# Allegro board reComputer Industrial J201_V1.2.brd (continued)
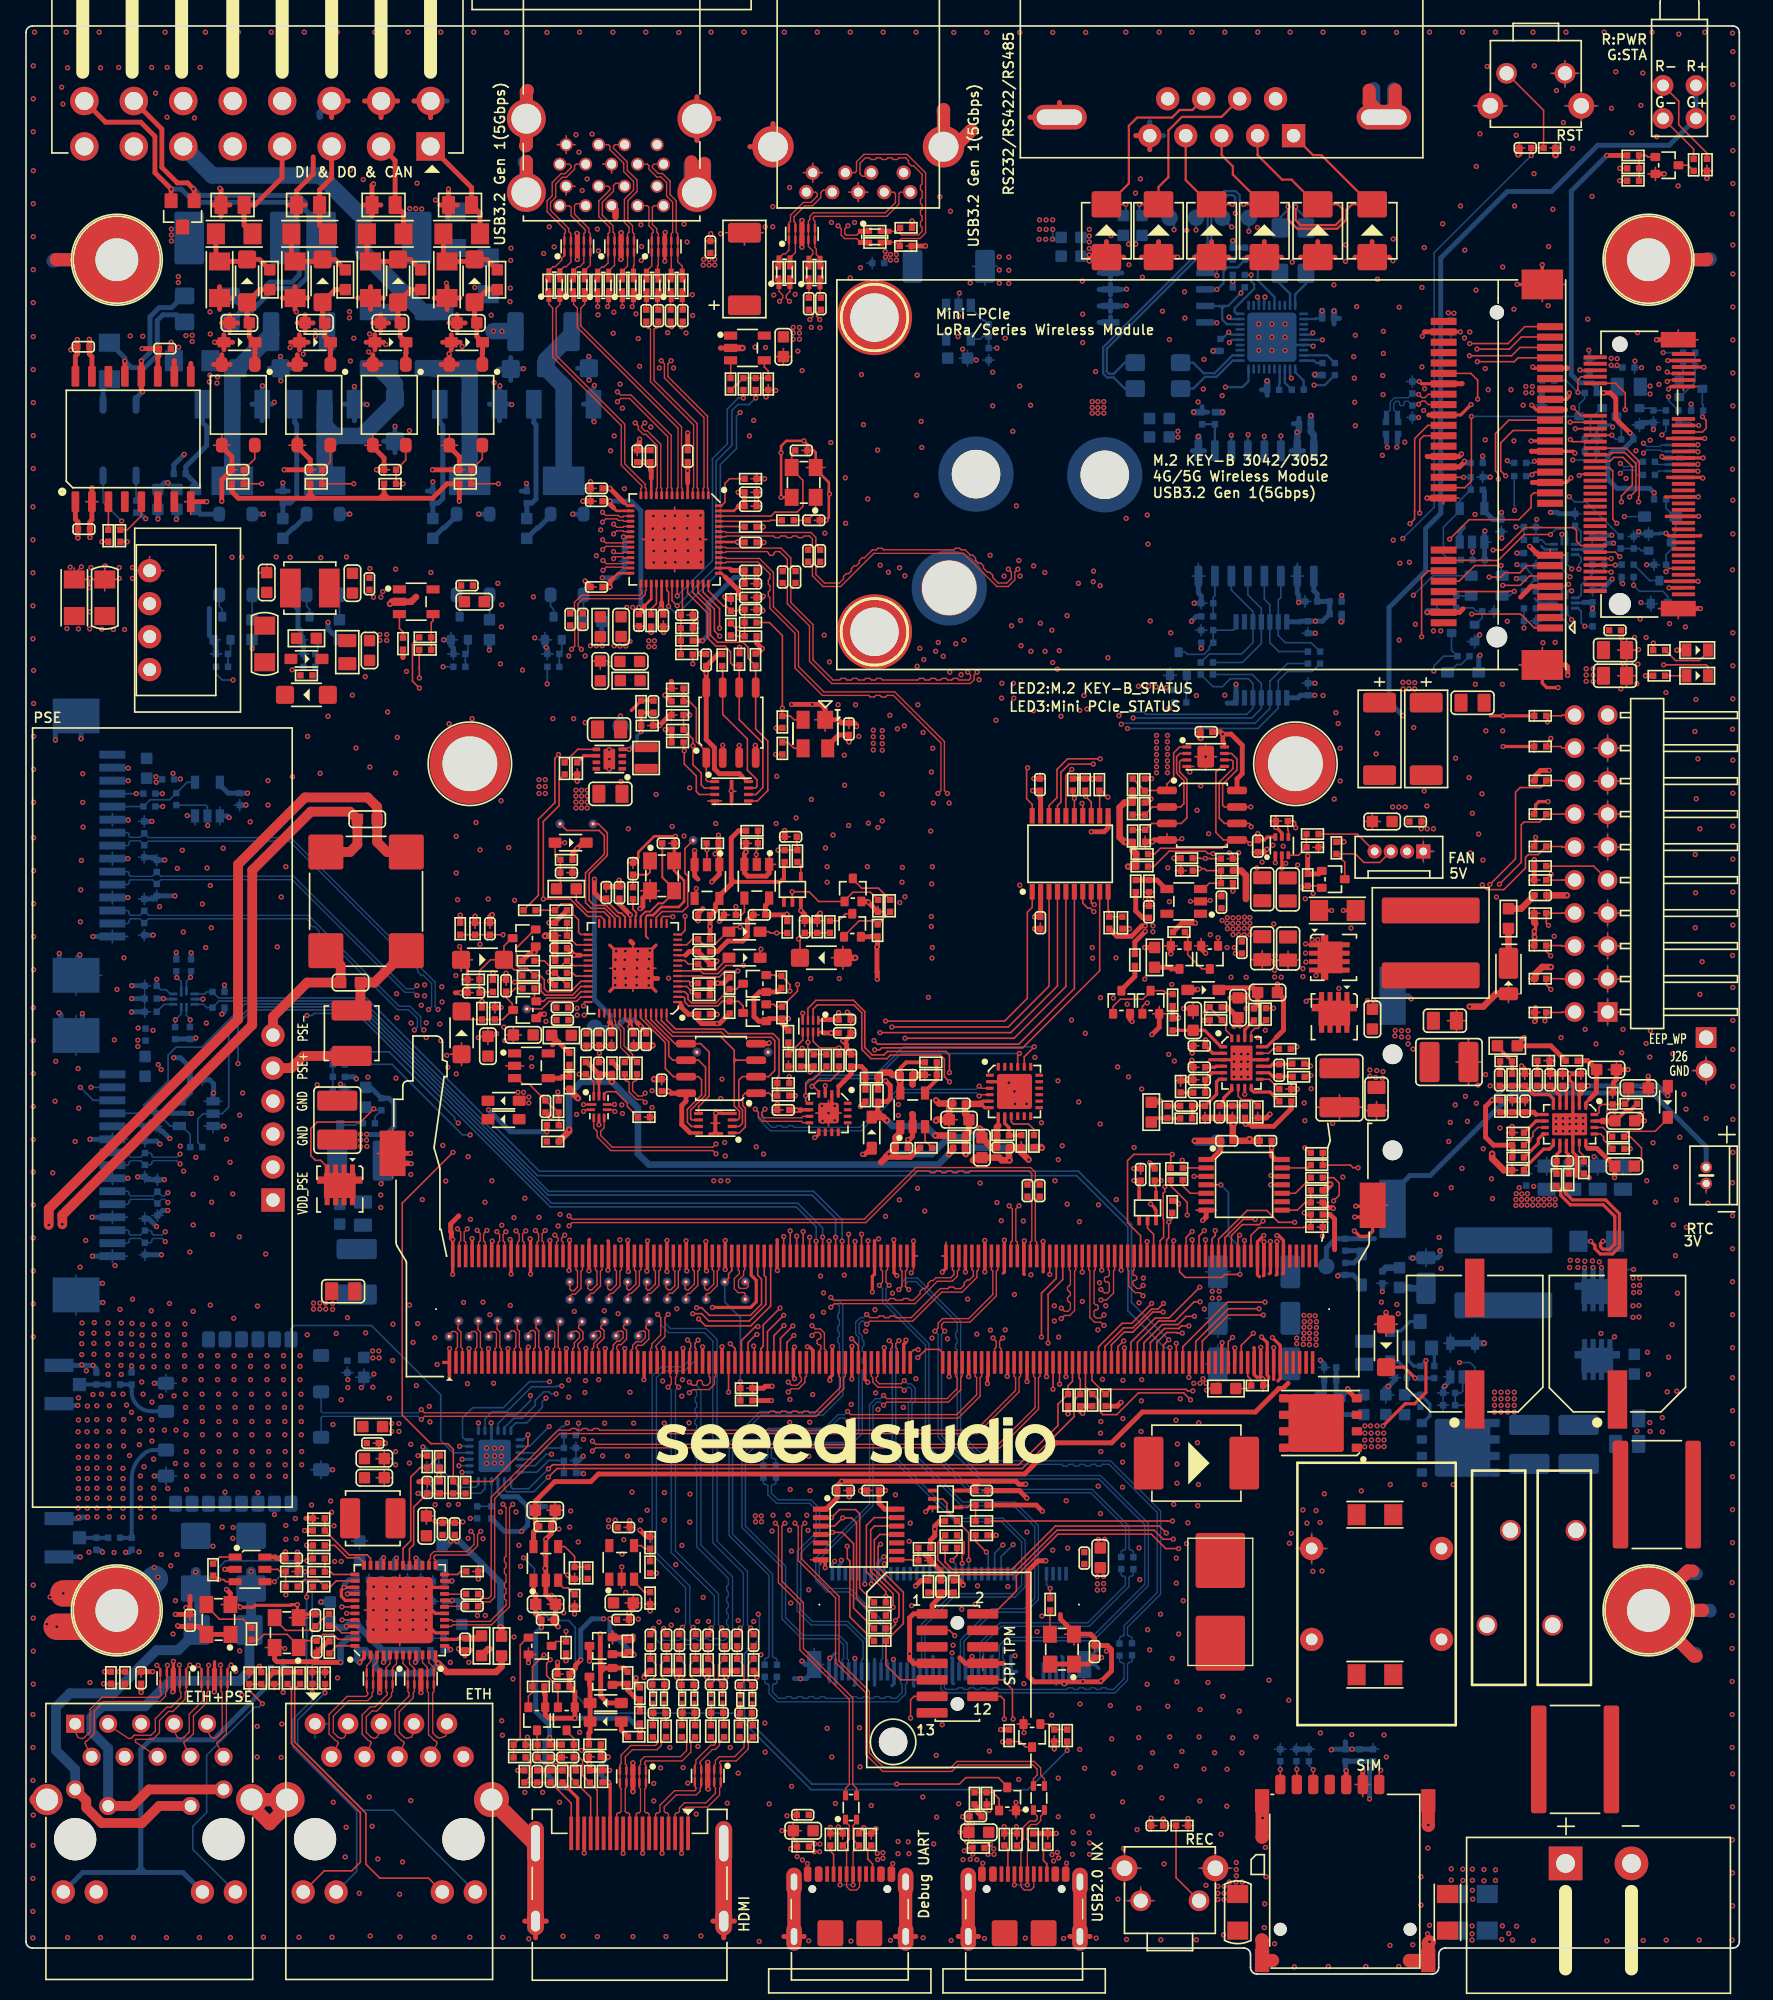
[diagram p0: board, top side]
## Routing (per net, layer and track width the routed paths; a pad name or vN(x,y) marks a point on that pad's centre or on a via; arc(x,y) is an arc through that point) (continued)
  LAY4 w0.127: v1(71.15,69.41) 78.21,69.41 79.61,70.81 v1(88.04,70.81)
UART2_TXD_3V3: length 79.3
  TOP w0.127: R153.2 R418.2 60.24,71.25 v1(60.24,71.74) U24.6 ; D22.2 117.23,94.52 ; 117.23,94.52 118.24,94.52 118.36,94.4 J8.18 ; 117.23,94.52 117.23,94.89 v1(117.48,95.14)
  LAY3 w0.127: v1(65.64,88.29) 65.64,87.51 65.38,87.26 65.38,82.01 64.84,81.47 64.84,77.71 60.64,73.51 60.64,72.14 v1(60.24,71.74)
  LAY4 w0.127: v1(65.64,88.29) 67.03,88.29 67.47,88.72 93.58,88.72 93.59,88.73 103.45,88.73 109.86,95.14 v1(117.48,95.14)
UART_USB_DN: length 40.6
  TOP w0.107: v1(56.18,66.6) 56.43,66.35 56.43,66 56.77,65.66 59.76,65.66 59.87,65.54 U30.8 ; U29.6 45.27,66.55 45.37,66.46 v1(45.37,66.42) ; U54.4 73.53,67.71 v1(73.44,67.61)
  LAY3 w0.084: v1(56.18,66.6) 56.44,66.34 56.44,66.17 56.13,65.86 55.83,65.86 55.7,65.98 55.4,65.98 55.27,65.86 54.97,65.86 54.84,65.98 54.53,65.98 54.41,65.86 46.64,65.86 46.51,65.98 46.21,65.98 46.08,65.86 45.42,65.86 45.29,65.98 44.99,65.98 44.86,65.86 44.56,65.86 44.28,66.13 44.28,66.33 44.36,66.42 v1(45.37,66.42)
  BOTTOM w0.107: v1(56.18,66.6) 56.43,66.35 56.43,65.85 57.35,64.93 64.35,64.93 67.28,67.85 73.19,67.85 v1(73.44,67.61)
UART_USB_DP: length 40.2
  TOP w0.107: v1(56.94,66.6) 56.7,66.35 56.7,66.11 56.88,65.93 59.76,65.93 59.87,66.04 U30.7 ; v1(42.96,66.42) 43.09,66.55 U29.2 ; U54.3 73.59,68.21 v1(73.44,68.37)
  LAY3 w0.084: v1(42.96,66.42) 43.96,66.42 44.04,66.33 44.04,66.03 44.46,65.62 56.23,65.62 56.68,66.07 56.68,66.34 v1(56.94,66.6)
  BOTTOM w0.107: v1(73.44,68.37) 73.19,68.12 67.17,68.12 64.24,65.2 59.19,65.2 59.06,65.32 58.75,65.32 58.63,65.2 58.32,65.2 58.2,65.32 57.89,65.32 57.76,65.2 57.46,65.2 56.7,65.96 56.7,66.35 v1(56.94,66.6)
USB0_AP_N: length 49.9
  TOP w0.107: J9.109 59.63,46.04 59.74,45.92 59.74,45.66 59.41,45.33 58.97,45.33 v1(58.72,45.58) ; L24.3 78.47,15.04 78.18,15.33 78.18,15.87 77.68,16.37 71.73,16.37 71.23,15.87 66.12,15.87 64.98,17.01 64.98,21.76 62.64,24.1 62.64,29.08 59.76,31.96 59.76,34.47 v1(60,34.72)
  LAY3 w0.084: v1(60,34.72) 59.74,34.98 59.74,44.95 59.38,45.32 58.98,45.32 v1(58.72,45.58)
USB0_AP_P: length 50
  TOP w0.107: v1(58.72,44.82) 58.97,45.06 59.53,45.06 60.01,45.55 60.01,45.92 60.13,46.04 J9.111 ; v1(59.25,34.72) 59.49,34.47 59.49,31.85 62.37,28.97 62.37,23.99 64.71,21.65 64.71,16.9 66.01,15.6 71.34,15.6 71.84,16.1 77.57,16.1 77.91,15.76 77.91,15.33 77.62,15.04 L24.2
  LAY3 w0.084: v1(59.25,34.72) 59.51,34.98 59.51,44.86 59.28,45.08 58.98,45.08 v1(58.72,44.82)
USB0_VBUS_DET*: length 51.7
  TOP w0.127: Q23.3 75.6,14.44 74.92,15.13 72.41,15.13 71.91,14.63 v1(67.09,14.63) ; v1(54.13,44.8) J9.87
  LAY3 w0.127: v1(54.13,44.8) 54.13,30 v1(56.42,27.71)
  BOTTOM w0.127: v1(67.09,14.63) 60.56,14.63 55.35,19.83 55.35,24.66 56.49,25.8 56.49,27.63 v1(56.42,27.71)
USB1_A_N: length 9.2
  TOP w0.107: R29.2 44.94,130.9 L6.3 44.89,131.12 45.35,131.58 U3.2 U3.9 45.35,134.01 45.23,134.12 45.23,134.6 44.4,135.43 44.4,136.42 45.26,137.28 45.26,137.71 45.44,137.89 45.88,137.89 46.11,137.66 J4.11
USB1_A_P: length 9.2
  TOP w0.107: R36.2 44,130.9 L6.2 44.04,131.12 44.36,131.44 44.53,131.44 44.85,131.75 U3.1 U3.10 44.85,134.01 44.96,134.12 44.96,134.49 44.13,135.32 44.13,136.53 44.99,137.39 44.99,137.54 44.87,137.66 J4.12
USB1_AP_N: length 80.9
  TOP w0.107: J9.115 61.13,48.01 61.24,48.13 61.24,48.36 61.13,48.47 61.05,48.47 60.94,48.57 60.94,48.79 61.05,48.89 61.13,48.89 61.24,49 61.24,49.25 61.08,49.41 60.8,49.41 v1(60.56,49.16) ; U8.46 53.89,109.06 53.96,109 56.51,109 57.59,107.92 57.59,105.28 59.52,103.35 59.52,100.68 61.47,98.72 66.93,98.72 70.76,94.9 70.76,91.13 v1(70.99,90.9)
  LAY3 w0.084: v1(70.99,90.9) 70.74,90.65 70.74,57.63 68.56,55.44 67.32,55.44 61.3,49.42 60.82,49.42 v1(60.56,49.16)
USB1_AP_P: length 81
  TOP w0.107: U8.45 53.89,108.66 53.96,108.73 56.4,108.73 57.32,107.81 57.32,107.46 57.19,107.34 57.19,107.03 57.32,106.9 57.32,106.55 57.19,106.42 57.19,106.12 57.32,105.99 57.32,105.17 59.25,103.24 59.25,100.57 61.36,98.46 64.93,98.46 65.05,98.33 65.36,98.33 65.49,98.46 65.79,98.46 65.92,98.33 66.22,98.33 66.35,98.46 66.82,98.46 70.49,94.79 70.49,91.13 v1(70.26,90.9) ; J9.117 61.63,48.03 61.51,48.14 61.51,49.36 61.19,49.68 60.8,49.68 v1(60.56,49.92)
  LAY3 w0.084: v1(70.26,90.9) 70.51,90.65 70.51,59.45 70.38,59.33 70.38,59.02 70.51,58.89 70.51,58.59 70.38,58.46 70.38,58.16 70.51,58.03 70.51,57.73 69.68,56.9 69.5,56.9 69.29,56.69 69.29,56.51 69.07,56.29 68.89,56.29 68.68,56.07 68.68,55.89 68.46,55.68 67.22,55.68 61.2,49.66 60.82,49.66 v1(60.56,49.92)
USB1_B_N: length 16.5
  TOP w0.107: J3.2 64.84,138.42 64.44,138.42 64.25,138.61 64.25,139.43 64.67,139.85 64.98,139.85 65.1,139.72 65.41,139.72 65.54,139.85 65.84,139.85 65.97,139.72 66.27,139.72 66.4,139.85 66.7,139.85 66.83,139.72 67.14,139.72 67.26,139.85 67.77,139.85 67.99,139.63 67.99,139.45 68.2,139.24 68.38,139.24 69.04,138.58 69.04,137.84 68.91,137.71 68.91,137.41 69.04,137.28 69.04,136.77 68.91,136.65 68.91,136.34 69.04,136.22 69.04,135.91 68.91,135.78 68.91,135.48 69.04,135.35 69.04,135.05 68.91,134.92 68.91,134.61 69.04,134.49 69.04,134.18 68.76,133.9 67.45,133.9 67.34,134.01 D3.2 67.07,134.19 L1.2 66.27,134.23 R10.2
USB1_B_P: length 16.7
  TOP w0.107: J3.3 63.88,138.71 63.99,138.81 63.99,139.54 64.56,140.12 67.88,140.12 69.31,138.69 69.31,134.07 68.87,133.63 67.46,133.63 67.34,133.52 67.34,133.06 D10.2 67.04,133.34 L1.3 66.27,133.29 R15.2
USB2_A_N: length 12.4
  TOP w0.107: J4.2 45.38,140.86 45.26,140.74 45.26,140.59 46.32,139.53 46.32,138.89 47.08,138.14 47.08,137.25 46.37,136.55 46.37,134.98 46.73,134.62 46.73,134.12 46.85,134.01 U3.6 U3.5 46.85,131.55 46.8,131.5 L7.3 46.8,130.54 R30.2
USB2_A_P: length 12.6
  TOP w0.107: R37.2 45.95,130.54 L7.2 45.95,131.12 46.35,131.52 U3.4 U3.7 46.35,134.01 46.46,134.12 46.46,134.51 46.1,134.87 46.1,136.66 46.81,137.36 46.81,138.03 46.05,138.78 46.05,139.42 44.99,140.48 44.99,140.74 44.87,140.86 J4.3
USB2_AP_N: length 45
  TOP w0.107: v1(30.46,43.46) 30.7,43.21 57.23,43.21 57.36,43.34 57.66,43.34 57.79,43.21 58.09,43.21 58.22,43.34 58.53,43.34 58.65,43.21 58.96,43.21 59.08,43.34 59.39,43.34 59.52,43.21 59.82,43.21 59.95,43.34 60.25,43.34 60.38,43.21 60.78,43.21 62.74,45.18 62.74,45.92 62.63,46.04 J9.121
  BOTTOM w0.107: U50.12 22.74,43.32 22.84,43.21 30.21,43.21 v1(30.46,43.46)
USB2_AP_P: length 45
  TOP w0.107: v1(30.46,42.7) 30.7,42.95 60.89,42.95 63.01,45.07 63.01,45.92 63.13,46.04 J9.123
  BOTTOM w0.107: U50.13 22.74,42.84 22.84,42.95 30.21,42.95 v1(30.46,42.7)
USB_DM: length 4.4
  TOP w0.107: U23.46 45.36,73.42 45.42,73.36 45.42,73.07 45.81,72.68 45.81,71.35 46.47,70.7 46.47,70.55 R161.2
USB_DP: length 4.4
  TOP w0.107: R162.2 46.74,70.55 46.74,70.81 46.08,71.47 46.08,72.79 45.69,73.18 45.69,73.36 45.76,73.42 U23.47
USB_HUB_RESET: length 93.2
  TOP w0.127: R286.1 v1(51.37,100.88) ; v1(54.87,103.6) 54.7,103.6 R55.1
  LAY3 w0.127: v1(54.87,103.6) 54.82,103.6 52.1,100.88 v1(51.37,100.88) 51.57,100.69 51.57,96.77 50.09,95.3 41.66,95.3 40.5,94.14 40.5,86.99 36.35,82.84 36.35,79.17 36.55,78.96 36.55,76.42 37.63,75.34 37.63,70.19 33.76,66.31 33.76,64.38 33.99,64.16 43.51,64.16 44.15,63.52 44.15,54.25 43.64,53.74 43.13,53.74 42.8,53.41 42.8,52.98 42.24,52.42 41.23,52.42 40.31,51.51 40.31,50.01 39.45,49.14 39.45,44.95 v1(40.06,44.34)
  BOTTOM w0.127: v1(40.06,44.34) 39.78,44.06 39.78,43.64 38.57,42.44 37.73,42.44 37.36,42.07 U51.12
USB_MUX_SEL: length 84.5
  TOP w0.127: J8.4 118.36,76.62 118.34,76.64 D35.2 117.12,76.17 v1(117.48,75.81) ; U29.10 43.74,68.68 R159.2 v1(42.62,69.29)
  LAY4 w0.127: v1(42.62,69.29) 42.9,69.57 42.9,69.61 43.51,70.23 56.98,70.23 58.5,68.7 59.01,68.7 60.2,69.9 78.21,69.9 79.63,71.32 90.2,71.32 90.25,71.27 95.15,71.27 97.95,74.06 100.23,74.06 101.81,75.64 117.3,75.64 v1(117.48,75.81)
USB_UART_RX: length 25.3
  TOP w0.127: v1(77.68,71.39) 76.91,70.62 U54.20 ; R153.1 60.66,68.88 60.35,68.88 60.07,68.6 v1(60.07,67.64) 60.07,67.2 60.23,67.04 U30.5
  BOTTOM w0.127: v1(60.07,67.64) 60.07,68.42 60.86,69.21 65.42,69.21 67.6,71.39 v1(77.68,71.39)
USB_UART_TX: length 21.9
  TOP w0.127: R152.1 62.63,69.44 61.98,68.79 61,68.79 v1(60.56,68.35) 60.68,68.35 61.08,67.94 U30.4 ; U54.21 76.41,70.76 v1(76.53,70.89)
  BOTTOM w0.127: v1(76.53,70.89) 67.42,70.89 65.49,68.96 61.17,68.96 v1(60.56,68.35)
USBSS1_RX_N: length 3.5
  TOP w0.107: TP38.1 41.96,49.35 42.06,49.47 42.42,49.52 42.54,49.42 42.65,49.32 42.65,49.01 42.24,48.61 42.24,48.26 42.13,48.15 J9.39
USBSS1_RX_P: length 3.6
  TOP w0.107: J9.41 42.63,48.15 42.51,48.26 42.51,48.5 42.91,48.9 42.91,49.43 42.72,49.63 42.58,49.73 42.56,49.88 TP33.1
USBSS1_TX_N: length 3.4
  TOP w0.107: TP39.1 43.7,49.26 43.88,49.48 44.15,49.52 44.27,49.42 44.27,49.08 43.74,48.56 43.74,48.26 43.63,48.15 J9.45
USBSS1_TX_P: length 3.6
  TOP w0.107: J9.47 44.13,48.15 44.01,48.26 44.01,48.45 44.53,48.97 44.53,49.56 44.37,49.68 44.37,49.68 44.31,49.73 44.31,49.73 44.29,49.88 TP34.1
USBSS2_RX_N: length 3.7
  TOP w0.107: TP37.1 45.44,49.3 45.58,49.48 45.88,49.52 46,49.43 46,48.99 45.75,48.74 45.54,48.74 45.24,48.43 45.24,48.13 45.13,48.01 J9.51
USBSS2_RX_P: length 3.8
  TOP w0.107: J9.53 45.63,48.02 45.51,48.14 45.51,48.32 45.66,48.47 45.86,48.47 46.27,48.88 46.27,49.56 46.05,49.73 46.03,49.88 TP32.1
USBSS2_TX_N: length 3.9
  TOP w0.107: TP40.1 47.15,49.28 47.3,49.48 47.6,49.52 47.72,49.42 47.72,49.01 47.4,48.69 47.02,48.69 46.74,48.41 46.74,48.15 46.63,48.04 J9.57
USBSS2_TX_P: length 4
  TOP w0.107: J9.59 47.13,48.02 47.01,48.14 47.01,48.3 47.13,48.42 47.51,48.42 47.99,48.89 47.99,49.56 47.77,49.73 47.77,49.73 47.75,49.88 TP35.1
USBSS_RX_A_CON1_N: length 7.4
  TOP w0.107: R31.2 42.13,130.91 L5.2 42.19,131.15 42.5,131.46 42.68,131.46 42.98,131.77 U2.4 U2.7 42.98,134.01 43.1,134.12 43.1,134.3 41.99,135.4 41.99,136.04 41.89,136.15 41.13,136.15 41.12,136.15 J4.14
USBSS_RX_A_CON1_P: length 7.4
  TOP w0.107: J4.15 43.11,136.16 42.96,136.32 42.4,136.32 42.26,136.18 42.26,135.51 43.37,134.41 43.37,134.12 43.48,134.01 U2.6 U2.5 43.48,131.59 43.04,131.15 L5.3 43.06,130.96 R28.2
USBSS_RX_A_CON2_N: length 11.8
  TOP w0.107: J4.5 41.87,139.36 41.99,139.24 41.99,139.09 41.52,138.62 41.22,138.62 40.54,137.94 40.54,136.93 40.15,136.53 40.15,135.7 41.56,134.28 41.56,134.08 41.48,134.01 U2.10 U2.1 41.48,132.33 41.28,132.13 41.28,131.97 40.77,131.46 40.6,131.46 40.28,131.15 L4.2 40.23,130.92 R32.2
USBSS_RX_A_CON2_P: length 11.7
  TOP w0.107: R33.2 41.17,130.94 L4.3 41.13,131.15 41.45,131.46 41.62,131.46 41.98,131.82 U2.2 U2.9 41.98,134.01 41.83,134.16 41.83,134.4 40.42,135.81 40.42,136.42 40.81,136.81 40.81,137.83 41.33,138.35 41.64,138.35 42.26,138.98 42.26,139.24 42.38,139.36 J4.6
USBSS_RX_B_CON1_N: length 8.2
  TOP w0.107: R18.2 57.94,131.89 L2.2 58.01,132.14 58.33,132.45 58.5,132.45 58.78,132.73 U1.1 U1.10 58.78,134.84 58.9,134.97 58.9,135.42 59.9,136.42 60.48,136.42 60.96,136.9 60.96,137.09 60.84,137.21 J3.5
USBSS_RX_B_CON1_P: length 8.1
  TOP w0.107: J3.6 61.97,137.36 61.42,137.36 61.23,137.17 61.23,136.79 60.59,136.15 60.01,136.15 59.17,135.31 59.17,134.93 59.28,134.83 U1.9 U1.2 59.28,132.56 58.86,132.14 L2.3 58.88,131.95 R16.2
USBSS_RX_HUB_N: length 8.8
  TOP w0.107: U8.51 53.89,111.06 53.96,111 60.48,111 60.86,110.62 60.86,110 C33.2
USBSS_RX_HUB_P: length 8.6
  TOP w0.107: C32.2 60.59,110 60.59,110.51 60.36,110.73 59.95,110.73 59.82,110.6 59.52,110.6 59.39,110.73 59.08,110.73 58.96,110.6 58.65,110.6 58.53,110.73 58.14,110.73 58.02,110.6 57.71,110.6 57.59,110.73 53.96,110.73 53.89,110.66 U8.50
USBSS_RX_N: length 75.4
  TOP w0.107: J9.161 74.63,48.15 74.74,48.26 74.74,48.73 v1(74.5,48.98) ; C36.1 58.93,106.74 58.93,105.61 60.63,103.91 60.63,101.19 62.18,99.64 62.69,99.64 62.82,99.77 63.12,99.77 63.25,99.64 63.58,99.64 63.71,99.77 64.01,99.77 64.14,99.64 64.57,99.64 64.7,99.77 65,99.77 65.13,99.64 65.43,99.64 65.56,99.77 65.87,99.77 65.99,99.64 68.71,99.64 68.84,99.77 69.14,99.77 69.27,99.64 69.6,99.64 69.73,99.77 70.03,99.77 70.16,99.64 70.46,99.64 70.59,99.77 70.9,99.77 71.02,99.64 71.33,99.64 71.45,99.77 71.76,99.77 71.89,99.64 72.64,99.64 72.78,99.77 72.78,100.02 v1(72.54,100.25)
  LAY3 w0.084: v1(74.5,48.98) 74.76,49.24 74.76,54.12 72.79,56.08 72.79,100 v1(72.54,100.25)
USBSS_RX_P: length 75.4
  TOP w0.107: J9.163 75.13,48.15 75.01,48.26 75.01,48.73 v1(75.25,48.98) ; C35.1 58.66,106.74 58.66,105.5 60.36,103.79 60.36,101.08 62.07,99.37 72.76,99.37 73.05,99.66 73.05,100.02 v1(73.28,100.25)
  LAY3 w0.084: v1(73.28,100.25) 73.03,100 73.03,56.18 74.99,54.22 74.99,49.24 v1(75.25,48.98)
USBSS_TX_A_CON1_N: length 6.8
  TOP w0.107: R38.2 47.79,130.94 L8.2 47.8,131.12 48.21,131.54 U4.1 U4.10 48.21,134.01 48.33,134.12 48.33,134.27 47.99,134.61 47.99,136.04 47.87,136.16 J4.17
USBSS_TX_A_CON1_P: length 6.7
  TOP w0.107: R39.2 48.73,130.87 L8.3 48.65,131.5 48.71,131.57 U4.2 U4.9 48.71,134.01 48.6,134.12 48.6,134.38 48.26,134.72 48.26,136.04 48.38,136.16 J4.18
USBSS_TX_A_CON2_N: length 10.7
  TOP w0.107: R34.2 49.66,130.9 L9.2 49.71,131.5 49.71,131.51 U4.4 U4.7 49.71,134.01 49.82,134.11 49.82,136.43 49.36,136.9 49.36,137.94 48.92,138.37 48.6,138.37 47.99,138.98 47.99,139.24 47.87,139.36 J4.8
USBSS_TX_A_CON2_P: length 10.8
  TOP w0.107: J4.9 48.38,139.36 48.26,139.24 48.26,139.09 48.71,138.64 49.04,138.64 49.63,138.05 49.63,137.01 50.09,136.55 50.09,134.13 50.21,134.01 U4.6 U4.5 50.21,131.85 50.56,131.5 L9.3 50.6,130.91 R35.2
USBSS_TX_B_CON1_N: length 12.8
  TOP w0.107: J3.8 66.88,137.21 66.99,137.1 66.99,136.39 66.2,135.61 60.66,135.61 60.4,135.35 60.4,135.09 60.28,134.97 U1.7 U1.4 60.28,133.02 60.62,132.68 60.62,132.41 60.33,132.12 L3.2 60.28,131.89 R19.2
USBSS_TX_B_CON1_P: length 12.7
  TOP w0.107: J3.9 67.36,137.21 67.25,137.1 67.25,136.28 66.32,135.34 60.77,135.34 60.66,135.24 60.66,135.09 60.78,134.97 U1.6 U1.5 60.78,132.94 60.89,132.84 60.89,132.41 61.18,132.12 L3.3 61.22,131.9 R17.2
USBSS_TX_HUB_N: length 7.1
  TOP w0.107: U8.48 53.89,109.86 53.96,109.8 58.17,109.8 58.93,109.04 58.93,108.39 C36.2
USBSS_TX_HUB_P: length 6.9
  TOP w0.107: C35.2 58.66,108.39 58.66,108.93 58.06,109.53 57.74,109.53 57.64,109.42 57.64,109.35 57.53,109.24 57.32,109.24 57.21,109.35 57.21,109.42 57.1,109.53 53.96,109.53 53.89,109.46 U8.47
USBSS_TX_N: length 75.3
  TOP w0.107: C33.1 60.86,108.41 60.86,107.77 61.52,107.11 62.66,107.11 62.98,107.44 62.98,107.62 63.2,107.83 63.38,107.83 63.6,108.05 63.6,108.23 63.81,108.44 63.99,108.44 64.21,108.66 64.21,108.84 64.42,109.05 64.6,109.05 65.21,109.66 65.52,109.66 65.64,109.79 65.95,109.79 66.07,109.66 71.49,109.66 71.62,109.79 71.92,109.79 72.05,109.66 72.35,109.66 72.76,109.25 72.94,109.25 73.16,109.04 73.16,108.86 73.37,108.64 73.55,108.64 73.77,108.43 73.77,108.25 74.08,107.93 74.26,107.93 74.48,107.72 74.48,107.54 74.91,107.11 75.56,107.11 75.91,107.46 75.91,107.94 v1(75.68,108.17) ; J9.166 75.88,56.35 75.99,56.46 75.99,58.91 v1(75.75,59.15)
  LAY3 w0.084: v1(75.68,108.17) 75.93,107.93 75.93,106.09 73.86,104.02 73.86,62.15 76.01,60 76.01,59.41 v1(75.75,59.15)
USBSS_TX_P: length 75.4
  TOP w0.107: J9.168 76.38,56.35 76.26,56.46 76.26,58.91 v1(76.5,59.15) ; C32.1 60.59,108.41 60.59,107.66 61.41,106.84 62.77,106.84 65.32,109.39 72.24,109.39 74.8,106.84 75.67,106.84 76.18,107.35 76.18,107.94 v1(76.41,108.17)
  LAY3 w0.084: v1(76.41,108.17) 76.17,107.93 76.17,106 74.1,103.93 74.1,62.25 76.24,60.1 76.24,59.41 v1(76.5,59.15)
USIM_CLK: length 1.4
  BOTTOM w0.127: U46.3 116.79,105.17 116.77,105.15 R336.1
USIM_DATA: length 1.6
  BOTTOM w0.127: R333.1 116.83,105.97 U46.5
USIM_PWR: length 1.4
  BOTTOM w0.127: U45.3 116.9,109.29 116.77,109.42 R328.1
USIM_RST: length 1.5
  BOTTOM w0.127: R324.1 116.77,110.43 117.11,110.09 U45.5
VAUX_DET: length 5.9
  TOP w0.127: U38.35 26.55,32.01 26.28,32.28 24.89,32.28 R219.1 R215.1
VP_1V2: length 3
  TOP w0.254: U38.14 33.24,25.77 33.32,25.86 C180.1
  TOP w0.508: C180.1 34.91,25.86 FB7.1
VPH_2V5: length 2.5
  TOP w0.254: U38.23 32.82,30.27 v1(32.82,30.27)
  BOTTOM w0.381: v1(32.82,30.27) 32.77,30.22 C272.1
  BOTTOM w0.508: FB9.1 32.27,31.28 C272.1
VPTX_1V2: length 2.1
  TOP w0.254: U38.20 v1(32.85,28.77)
  BOTTOM w0.381: FB11.1 33.26,28.77 v1(32.85,28.77) 32.77,28.7 C274.1
W_DISABLE1#_3V3: length 22.8
  TOP w0.127: J6.8 119.8,122.99 119.56,122.75 v1(119.56,121.79) ; J5.20 110.85,114.45 111.36,114.96 v1(111.36,119.93)
  BOTTOM w0.127: v1(111.36,119.93) 111.75,119.93 111.75,119.94 Q26.3 119.66,120.88 120.09,121.31 R294.2 119.65,121.75 119.61,121.79 v1(119.56,121.79) 118.65,122.7 R293.2
W_DISABLE2#: length 4.1
  TOP w0.127: J6.26 v1(122.17,118.49)
  BOTTOM w0.127: v1(122.17,118.49) 122.5,118.17 R306.2 122.91,119.05 122.53,119.43 Q25.3
WIFI_EN: length 3.9
  BOTTOM w0.127: R307.2 R305.1 120.53,118.63 120.53,119.72 121.38,120.57 Q26.1
WL_DIS#: length 17.4
  LAY4 w0.127: v1(33.6,38.64) 32.53,38.64 32.25,38.92 31.44,38.92 29.83,37.32 29.62,37.11 21.48,37.11 19.75,35.38 v1(19.14,35.38)
  BOTTOM w0.127: U50.16 v1(19.14,35.38) ; U51.1 v1(33.6,38.64)
XTALO: length 3.1
  TOP w0.127: X1.1 60.84,112.54 C29.1 R48.1
YELLOW_LED: length 21.1
  TOP w0.127: R253.2 D99.2 17.2,21.84 v1(18.22,20.82)
  BOTTOM w0.127: J13.18 12.86,9.6 12.86,11.37 13.92,12.44 13.92,16.86 17.61,20.54 17.94,20.54 v1(18.22,20.82)
N25946651: length 4.1
  TOP w0.127: R3.1 128.48,140.52 LED1.4
N25946676: length 1.4
  TOP w0.127: R3.2 128.05,139.28 Q1.3
N26038616: length 3
  BOTTOM w0.381: R444.1 102.68,55.69 D87.1 102.91,55.36 102.31,54.75 R367.2
N26055734: length 3.2
  TOP w0.152: X2.1 48.08,84.85 47.88,84.65 C75.1 46.77,84.2 46.76,84.19 R107.1
N26086243: length 2.9
  TOP w0.127: U23.31 42.39,79.25 R125.1 R117.1
N26086803: length 4.7
  TOP w0.127: R128.1 39.93,78.02 40.37,77.58 41.19,77.58 41.63,78.02 R129.1 42.05,77.65 42.27,77.65 42.28,77.65 U23.35
N26280660: length 8.7
  TOP w0.127: U23.17 48.56,81.36 49.01,81.81 50.58,81.81 50.98,82.21 50.98,84.55 50.77,84.77 50.77,86.66 TP3.1
N26376527: length 2.7
  TOP w0.127: R90.1 R94.1 98.04,86.15 U17.3
N26991327: length 1.8
  TOP w0.127: OSC2.3 78.89,27.54 78.91,27.56 R237.1
N27061287: length 1.7
  TOP w0.127: D60.2 73.91,9.71 74.2,10 v1(74.3,10)
  TOP w0.381: C199.1 73.33,12.42 73.33,12.8 R273.1
  vias: v1(74.12,9.22) v1(74.55,9.65) v1(74.58,9.22) v1(79.05,9.19) v1(79.17,8.71) v1(79.46,9.37) v1(79.56,8.94)
N27061303: length 3
  TOP w0.127: R273.2 73.52,13.99 73.52,13.99 R272.1 74.48,13.99 74.97,13.5 Q23.1
N27061452: length 8.8
  TOP w0.107: J19.B7 76.15,6.87 v1(76.15,6.87) ; v1(77.15,6.87) J19.A7 77.15,9.45 D58.2 ; 77.56,9.9 D58.2 ; D58.2 77.6,9.9 77.12,10.38 77.12,11.2 77.43,11.51 77.86,11.51 78.18,11.82 78.18,12.15 78.47,12.44 L24.4
  BOTTOM w0.107: v1(77.15,6.87) v1(76.15,6.87)
N27061465: length 9.3
  TOP w0.107: L24.1 77.62,12.45 77.91,12.16 77.91,11.93 77.75,11.78 77.32,11.78 76.85,11.31 76.85,10.38 76.37,9.9 D57.2 ; J19.B6 77.65,6.7 77.42,6.47 76.91,6.47 76.65,6.74 J19.A6 76.65,9.59 D57.2 ; D57.2 76.34,9.92
N27077790: length 15.2
  TOP w0.254: v1(104.55,42.21) 106.25,43.91 106.99,43.91 107.85,44.78 v1(107.85,47.24)
  BOTTOM w0.254: Q44.2 106.51,47.23 106.93,46.81 R371.1 107.43,46.82 v1(107.85,47.24)
  BOTTOM w0.381: R373.1 100.02,44.77 C248.1 99.72,43.71 100.35,43.08 R375.1
  vias: v1(103.15,42.21) v1(103.15,41.65) v1(103.14,41.11) v1(103.14,40.6) v1(103.59,42.21) v1(103.64,41.65) v1(103.66,41.12) v1(103.66,40.61) v1(104.09,42.21) v1(104.14,41.65) v1(104.17,41.12) v1(104.17,40.61) v1(104.6,41.65) v1(104.63,41.12) v1(104.63,40.61)
N27077930: length 4.1
  TOP w0.254: v1(107.02,45.89) 106.18,46.73 D44.2
  BOTTOM w0.254: R370.1 107.94,45.89 107.94,45.89 R371.2 v1(107.02,45.89)
N27077935: length 1.5
  BOTTOM w0.254: Q44.1 108.5,48 R370.2
N27077990: length 2.6
  BOTTOM w0.254: D89.1 105.93,49.53 106.64,50.24 Q44.3
N27078074: length 7.5
  BOTTOM w0.254: Q46.4 107.61,42.43 108.16,42.97 108.16,43.88 R376.2 106.93,44.61 106.92,44.6 C250.2 106.4,44.78 R372.1 106.4,46.49 105.75,47.13 D89.2
N27107328: length 3.6
  TOP w0.127: Q7.3 63.7,84.3 64.39,83.61 65.68,83.61 R108.2
N27107353: length 4.6
  TOP w0.127: R108.1 66.02,81.24 66.02,81.17 65.67,80.82 R123.1 65.33,81.1 64.19,81.1 63.02,79.93 Q8.1
N27107904: length 2
  TOP w0.127: R119.1 62.6,81.1 63.15,81.65 Q8.3
N27110960: length 1.2
  TOP w0.127: U21.4 59.7,85.36 R96.2
N27125534: length 1.7
  TOP w0.254: R78.1 42.98,93.8 U14.6
N28330871: length 1.7
  TOP w0.127: U23.37 42.36,76.85 42.12,77.09 R131.1
N28376666: length 3.4
  TOP w0.127: R225.2 R224.1 42.27,32.16 41.51,32.91 U36.4
N28376672: length 1.8
  TOP w0.127: U36.3 41,30.13 41.4,29.74 41.76,29.74 R236.1
N28376840: length 3.8
  TOP w0.381: Q20.1 45.27,22.35 R254.1 46.35,21.88 47.08,21.15 R399.2 R398.1
N28376909: length 2.3
  TOP w0.127: R218.2 R222.1 47.64,32.75 47.41,32.99 U35.4
N28376915: length 1.8
  TOP w0.127: U35.3 46.85,30.21 47.64,29.41 R233.1
N28376973: length 1.4
  TOP w0.381: R258.2 45.86,18.78 D48.1
N28376991: length 9.7
  TOP w0.127: R259.1 R257.1 38.08,18.17 38.08,25.33 38.65,25.9 Q18.1
N28388800: length 7.4
  TOP w0.127: C142.1 124.46,62.76 124.46,63.61 123.6,64.47 R191.2 123.13,64.52 123.5,64.89 125.52,64.89 126.48,65.86 D40.2
N28388966: length 12
  TOP w0.254: R198.1 118.6,60.45 118.6,60.14 119.13,59.61 121.7,59.61 122.76,58.54 122.76,55.98 122.23,55.44 121.29,55.44 120.87,55.86 120.87,56.1 v1(120.55,56.42)
  BOTTOM w0.254: R366.1 v1(120.55,56.42)
N28389221: length 1.4
  BOTTOM w0.508: R368.2 104.78,54.39 C239.1
N28389223: length 2.6
  TOP w0.254: R173.1 114.5,70.27 R165.1 114.14,70.62 114.14,70.64 113.36,71.42 R157.2
N28389375: length 1
  TOP w0.254: R165.2 113.54,70.26 C124.1
N28389559: length 1
  TOP w0.254: R163.1 116.44,70.31 C125.2
N28391241: length 4.6
  TOP w0.381: R147.2 94.89,74.63 C95.1 94.53,75.94 92.08,75.94 91.91,75.78 D36.2
N28391410: length 14.5
  TOP w0.254: R158.1 98.68,70.1 98.86,69.92 v1(98.96,69.92) ; R112.1 v1(101.49,81.89)
  LAY3 w0.254: v1(101.49,81.89) 101.49,81.89 101.2,81.61 101.2,77.17 99.52,75.49 99.52,71.07 98.96,70.51 v1(98.96,69.92)
N28391647: length 2.4
  TOP w0.508: C81.1 115.19,82.03 R114.2
N28391649: length 2.4
  TOP w0.254: R186.1 87.96,65.88 R184.1 86.99,65.9 R183.2
N28391801: length 1
  TOP w0.254: C131.1 87.95,66.84 R184.2
N28392021: length 1
  TOP w0.254: R170.1 88.97,67.87 C123.2
N28495699: length 4.1
  TOP w0.102: J9.90 54.88,54.22 54.96,54.14 54.96,53.94 54.57,53.55 54.57,52.77 54.87,52.47 55.31,52.47 55.41,52.37 TP17.1
N28495701: length 4
  TOP w0.102: J9.92 55.38,54.22 55.29,54.14 55.29,53.81 54.89,53.41 54.89,52.9 55,52.79 55.49,52.79 55.66,52.95 55.66,53.18 55.53,53.31 TP7.1
N28781292: length 3
  TOP w0.127: R116.2 R115.2 83.46,81.85 83.37,81.94 U18.10
N28788303: length 1.6
  TOP w0.127: LED3.1 R65.1
N28800528: length 21.4
  TOP w0.127: J14.11 22.98,7.95 25.1,7.95 25.76,8.61 25.76,12.44 20.45,17.75 20.45,22.02 R270.1
N28800533: length 23.1
  TOP w0.127: J14.13 31.01,7.39 27.26,7.39 26.19,8.45 26.19,12.36 20.7,17.85 20.7,21.92 R271.1
N28827240: length 4.3
  TOP w0.127: OSC1.3 13.9,28.33 14.9,27.33 16.71,27.33 R241.1 17.32,26.66
N28848879: length 2.2
  TOP w0.127: R243.1 23.95,25.27 U38.48
N28849052: length 1.8
  TOP w0.127: U38.24 33.25,30.77 33.48,31 R230.1
N28849706: length 9.1
  TOP w0.127: R211.2 33.36,37 R210.2 R209.2 C153.1 29.87,35.96 29.87,33.07 29.55,32.74 U38.29
N28850075: length 10
  TOP w0.127: U38.30 29.05,32.77 29.65,33.37 29.65,38.27 30.37,38.99 R207.1 31.47,39.55 31.51,39.55 R208.2
N28892285: length 1.9
  BOTTOM w0.127: Q27.1 8.48,113.91 8.5,113.9 R318.2
N28892304: length 2.1
  BOTTOM w0.381: Q27.3 5.94,122.3 R290.2
N28902831: length 6.5
  TOP w0.381: R27.1 35.51,132.03 D14.2 34.4,131.87 R26.1 32.16,132.15 R14.2
N28914220: length 12.9
  BOTTOM w1.27: F2.1 42.03,126.25 40.06,124.28 D61.2 41.42,122.28 Q28.2 Q28.4
N28914268: length 2.1
  BOTTOM w0.127: R340.2 42.84,104.78 42.96,104.9 Q34.1
N28914298: length 1.8
  BOTTOM w0.127: Q39.3 40.65,105.09 40.42,105.32 Q34.2
N28914302: length 2.7
  BOTTOM w0.381: R320.1 39.39,111.36 39.48,111.36 40.42,112.3 Q34.3
N28914304: length 9.4
  BOTTOM w0.381: Q28.1 39.12,119.46 39.3,119.29 39.3,113.58 38.98,113.26 R311.1 R320.2
N28914685: length 2.2
  BOTTOM w0.127: R354.2 41.09,101.1 41.09,101.1 R346.1 41.28,101.83 Q39.1
N28915550: length 6.5
  TOP w0.381: R13.2 26.27,132.15 R24.1 28.51,131.87 D13.2 29.61,132.03 R25.1
N28916246: length 6.5
  TOP w0.381: R12.2 20.45,132.15 R22.1 22.7,131.87 D12.2 23.8,132.03 R23.1
N28916471: length 6.5
  TOP w0.381: R21.1 17.98,132.03 D11.2 16.88,131.87 R20.1 14.63,132.15 R11.2
N28917092: length 11.3
  BOTTOM w1.27: F3.1 31.51,123.59 D64.2 34.19,123.45 Q29.2 Q29.4
N28917133: length 2.2
  BOTTOM w0.127: Q35.1 35.72,104.43 35.7,104.42 R341.2 35.7,103.98
N28917163: length 1.8
  BOTTOM w0.127: Q40.3 33.41,105.09 33.18,105.32 Q35.2
N28917167: length 2.7
  BOTTOM w0.381: R321.1 32.15,111.36 32.24,111.36 33.18,112.3 Q35.3
N28917169: length 9.5
  BOTTOM w0.381: R321.2 R312.1 31.76,113.26 32.11,113.61 32.11,119.24 31.89,119.46 Q29.1
N28917235: length 2.2
  BOTTOM w0.127: Q40.1 34.04,101.83 R347.1 33.85,101.1 33.86,101.1 R355.2
N28918031: length 17.7
  BOTTOM w1.27: F4.1 28.43,122.43 D62.2 28.43,120.97 25.89,118.44 23.78,118.44 ; 23.01,117.67 23.78,118.44 ; 23.01,117.67 23.01,118.44 ; 23.01,117.67 Q30.4 ; 23.78,118.44 23.01,118.44 ; 23.78,118.44 23.01,119.2 ; 23.01,118.44 23.01,119.2 ; 23.01,119.2 Q30.2
